# Altium PCB fastcar.PcbDoc (part 3 of 6) (continued)
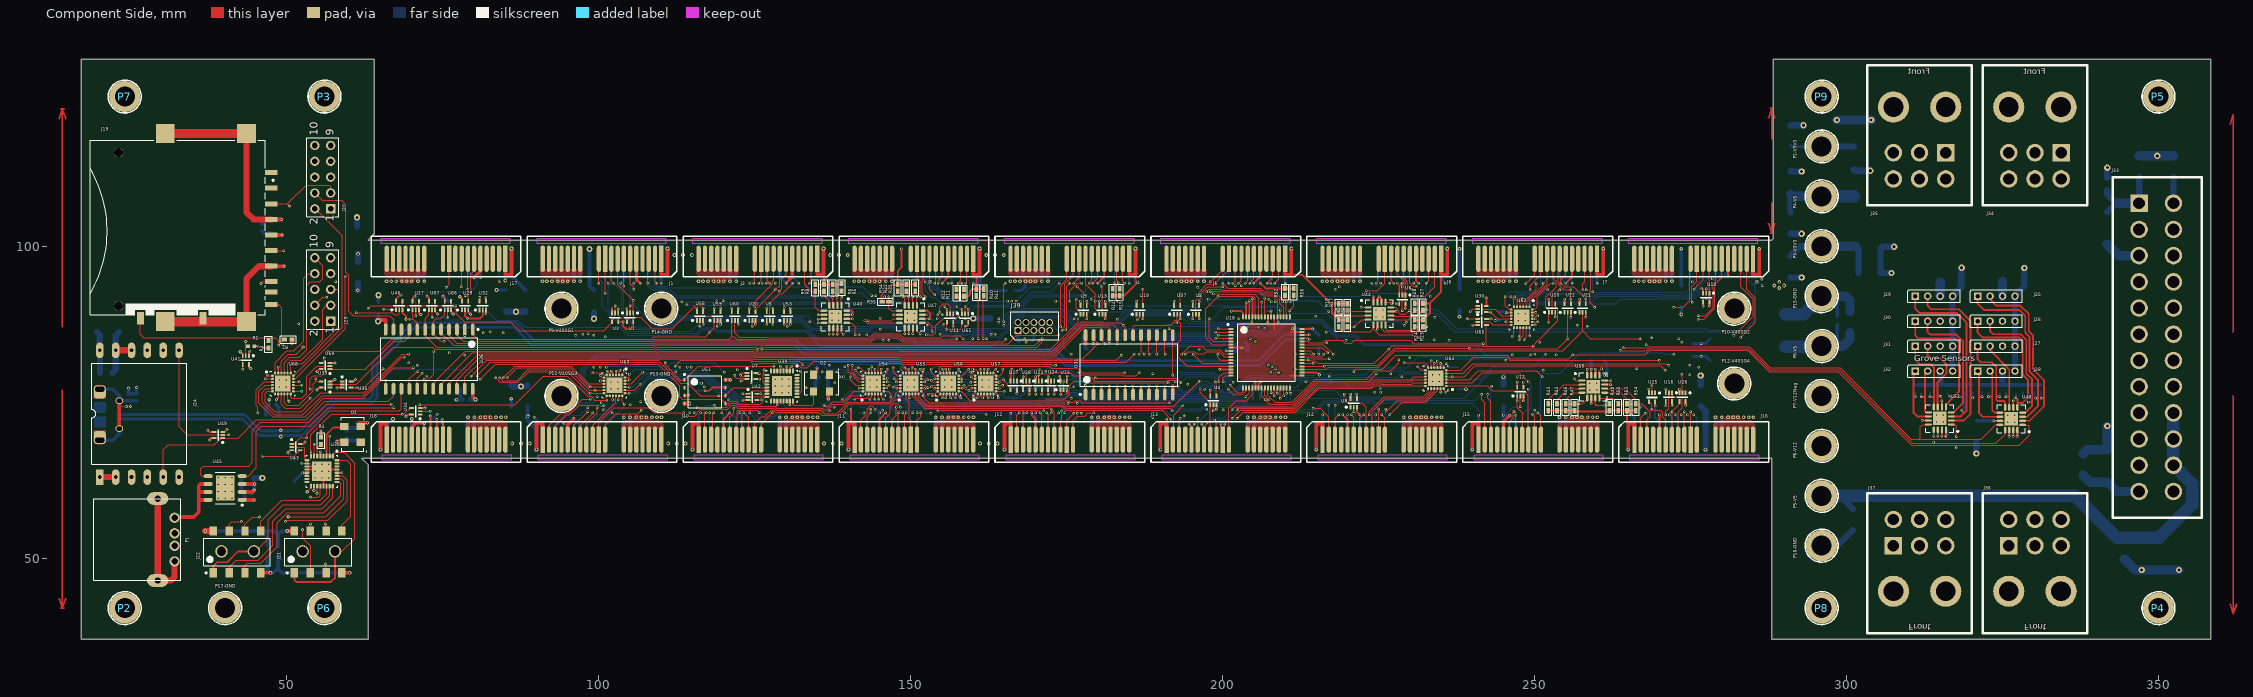
[diagram p0: Component Side view]
## Nets (pads, with @x,y where several pads share a name; then routed paths per layer and width w, separated by ;. In a path a pad name is that pad's centre, name@x,y a point inside that pad or via, vN(x,y) a via of type N, cw(c..) or ccw(c..) an arc to the next point about the centre after c; other vN are vias at no path point) (continued)
  Signal 1 w0.15: v1(276.3,80.6) 277.425,81.725 277.425,91.625 v1(277.499,91.7)
  Signal 2 w0.15: v1(186.9,77.5) 187.7,76.7 196.899,76.7 197.124,76.475 201.526,76.475 202.251,77.2 206.351,77.2 207.251,78.1 212.475,78.1 213,77.575 217.329,77.575 218.554,78.8 220.602,78.8 227.374,78.8 228.399,79.825 229,79.825 229.2,79.625 231.675,79.625 232.245,80.195 235.041,80.195 235.311,79.925 243.607,79.925 244.057,80.375 245.948,80.375 246.219,80.645 256.905,80.645 257.95,79.6 260.475,79.6 260.8,79.925 261.6,79.925 261.925,79.6 269.599,79.6 270.524,80.525 271.075,80.525 271.2,80.4 276.1,80.4 v1(276.3,80.6)
S8GPIO2: J8.B8 U62.4 | length 37.4
  Component Side w0.15: U62.4@247.68,90.305 247.68,91.68 247.7,91.7 v1(248,91.7)
  Solder Side w0.15: v1(248,91.7) 248.925,90.775 262.999,90.775 263.824,91.6 275.6,91.6 276.375,92.375 276.375,93.476 278,95.101 J8.B8@278,98
S8GPIO3: J8.A9 U62.5 | length 37.7
  Component Side w0.15: v1(246.8,91.9) 247.18,91.52 U62.5@247.18,90.305 ; v1(275.6,93.1) 275.6,93.2 277,94.6 J8.A9@277,98
  Solder Side w0.15: v1(246.8,91.9) 247.325,92.425 248.85,92.425 249,92.275 249.6,92.275 249.75,92.425 251.635,92.425 251.786,92.275 252.4,92.275 252.55,92.425 253.55,92.425 253.7,92.275 256.1,92.275 256.25,92.425 257.149,92.425 257.649,91.925 259.701,91.925 260.076,92.3 270,92.3 270.1,92.2 275.197,92.2 275.6,92.603 v1(275.6,93.1)
S8GPIO4: J8.B9 U62.6 | length 39.2
  Component Side w0.15: v1(246.2,91.9) 246.624,91.475 ; 246.625,91.475 246.68,91.42 U62.6@246.68,90.305
  Solder Side w0.15: v1(246.2,91.9) 246.624,91.475 246.976,91.475 247.626,92.125 248.375,92.125 249.425,91.075 257.376,91.075 257.465,91.164 257.935,91.164 258.024,91.075 259.275,91.075 260.2,92 269.876,92 269.976,91.9 275.447,91.9 ; 275.447,91.901 275.447,92.022 276.075,92.65 276.075,94.276 277,95.201 J8.B9@277,98
S8GPIO5: J8.A10 U55.22 | length 153.1
  Component Side w0.15: v1(147.2,77.4) 147.55,77.75 U55.22@148.325,77.75 ; v1(275.3,91) 275.174,91.126 275.174,93.576 275.473,93.875 275.475,93.875 275.724,94.124 275.724,94.126 276,94.401 J8.A10@276,98
  Signal 1 w0.15: v1(146.5,84.9) 146.775,84.625 146.775,80.776 146.775,78.325 147.2,77.9 v1(147.2,77.4) ; v1(273.1,85.2) 275.3,87.4 v1(275.3,91)
  Signal 2 w0.15: v1(146.5,84.9) 147.225,84.175 177.033,84.175 177.798,84.94 183.301,84.94 184.066,84.175 196.176,84.175 196.752,84.175 197.002,83.925 199.449,83.925 199.699,84.175 203.226,84.175 203.976,83.425 224.298,83.425 224.848,83.975 227.628,83.975 227.928,83.675 233.6,83.675 234.01,84.085 239.876,84.085 240.461,83.5 248.549,83.5 249.559,84.51 249.891,84.51 250.225,84.176 250.225,84.156 250.281,84.1 257.576,84.1 258.101,84.625 268.076,84.625 268.201,84.5 271.6,84.5 272.3,85.2 v1(273.1,85.2)
S8GPIO6: J8.B10 U18.27 | length 92.7
  Component Side w0.15: v1(208.25,76.05) U18.27@208.25,77.3
  Signal 1 w0.15: v1(274.9,79.4) 274.475,79.825 274.475,81.525 272.675,83.325 272.675,85.376 274.5,87.201 274.5,92.9 275.299,93.699 v1(275.299,94.3)
  Signal 2 w0.15: v1(208.25,76.05) 208.25,76.551 208.899,77.2 212.102,77.2 212.627,76.675 217.702,76.675 218.927,77.9 232.944,77.9 233.219,77.625 236.54,77.625 238.24,79.325 243.855,79.325 244.275,79.745 251.154,79.745 251.374,79.525 251.376,79.525 251.601,79.3 257.825,79.3 258.425,78.7 261.859,78.7 262.044,78.885 262.396,78.885 262.491,78.791 263,79.3 273.198,79.3 273.423,79.075 273.775,79.075 273.876,79.175 273.988,79.287 274.237,79.287 274.524,79 274.9,79 v1(274.9,79.4)
  Solder Side w0.15: v1(275.299,94.3) 276,95 J8.B10@276,98
S8GPIO7: J8.A11 U18.28 | length 85.8
  Component Side w0.15: v1(208.75,76.45) U18.28@208.75,77.3 ; v1(272.3,90.2) 273.8,90.2 274.874,91.275 274.874,97.874 J8.A11@275,98
  Signal 1 w0.15: v1(272.3,82.7) v1(272.3,90.2)
  Solder Side w0.15: v1(208.75,76.45) 209.2,76.9 218,76.9 219.025,75.875 225.224,75.875 225.499,75.6 238.691,75.6 243.091,80 250.899,80 251.224,79.675 254.075,79.675 257.3,82.9 263.519,82.9 263.544,82.875 263.896,82.875 263.921,82.9 270.6,82.9 270.8,82.7 v1(272.3,82.7)
S8GPIO8: J8.B11 U62.7 | length 38.4
  Component Side w0.15: v1(245.3,91.9) 245.3,90.44 245.86,89.88 U62.7@246.255,89.88
  Solder Side w0.15: v1(245.3,91.9) 246.125,92.725 248.974,92.725 249.124,92.575 249.476,92.575 249.626,92.725 251.76,92.725 251.91,92.575 252.276,92.575 252.426,92.725 253.674,92.725 253.824,92.575 255.976,92.575 256.126,92.725 257.273,92.725 257.773,92.225 259.576,92.225 259.951,92.6 274.273,92.6 274.775,93.102 274.775,94.376 275,94.601 J8.B11@275,98
S8MISO: J8.B6 U14.2 | length 6.6
  Component Side w0.15: U14.2@277.5,92.48 v1(277.5,93.199)
  Solder Side w0.15: v1(277.5,93.199) 280,95.699 J8.B6@280,98
S8RXD: J8.A4
S8SCL: J8.A3 R28.2 U44.10 | length 71.6
  Component Side w0.15: U44.10@226.955,88.895 227.075,88.775 229.882,88.775 230.8,89.692 R28.2@230.8,89.75 231.35,89.75 v1(231.4,89.8) ; v1(281.9,85.7) 281.978,85.7 285.025,88.747 285.025,91.475 283,93.5 J8.A3@283,98
  Solder Side w0.15: v1(231.4,89.8) 231.9,89.3 234.2,89.3 237.175,86.325 277.65,86.325 277.7,86.275 281.325,86.275 v1(281.9,85.7)
S8SDA: J8.B3 R27.2 U44.9 | length 71.9
  Component Side w0.15: U44.9@226.955,88.245 229.777,88.245 230.432,88.9 231.25,88.9 R27.2@232.1,89.75 232.65,89.75 v1(232.7,89.8)
  Solder Side w0.15: v1(232.7,89.8) 234.5,89.8 237.525,86.775 258.576,86.775 258.601,86.8 277.599,86.8 277.824,86.575 283.675,86.575 285.4,88.3 285.4,93.5 283,95.9 J8.B3@283,98
S8SIG: J8.A2 U56.22 | length 157
  Component Side w0.15: v1(153.3,77.478) 153.3,77.6 153.45,77.75 U56.22@154.325,77.75 ; v1(283,85.4) 285.4,87.8 285.4,91.7 284,93.1 J8.A2@284,98
  Signal 1 w0.15: v1@153.301,77.6 154.4,78.699 154.4,79.7 154.4,84.499 154.4,85.6 v1(154.7,85.9)
  Signal 2 w0.15: v1(154.7,85.9) 154.799,85.9 155.025,85.675 156.224,85.675 156.649,86.1 161.349,86.1 161.573,86.325 162.724,86.325 163.076,86.325 163.324,86.325 ; 163.324,86.325 163.676,86.325 165.523,86.325 166.148,85.7 169.098,85.7 170.323,84.475 176.908,84.475 177.673,85.24 183.425,85.24 184.19,84.475 196.052,84.475 196.876,84.475 197.126,84.225 199.325,84.225 199.575,84.475 203.35,84.475 204.1,83.725 224.174,83.725 224.724,84.275 227.752,84.275 228.052,83.975 233.476,83.975 233.976,84.475 241.274,84.475 241.624,84.825 244.102,84.825 244.652,84.275 248.475,84.275 250.3,86.1 268.1,86.1 268.475,85.725 268.976,85.725 269.201,85.5 272.799,85.5 272.924,85.625 273.276,85.625 273.626,85.275 282.875,85.275 v1(283,85.4)
S8TXD: J8.B4
S9ERR: J9.B2 U54.24 | length 59.3
  Component Side w0.15: v1(136.1,74.4) 136.375,74.4 136.575,74.2 137.45,75.075 139.176,75.075 140.851,76.75 U54.24@142.325,76.75
  Signal 2 w0.15: v1(100.7,73.8) 100.8,73.9 100.926,73.9 101.351,74.325 103,74.325 103.425,73.9 104.299,73.9 104.924,73.275 111.129,73.275 113.174,75.32 115.68,75.32 116.075,74.925 119.475,74.925 119.775,74.625 125.46,74.625 126.06,74.625 127.851,74.625 128.3,75.074 130.776,75.074 131.525,74.325 131.715,74.325 136.075,74.325 136.1,74.35 v1(136.1,74.4)
  Solder Side w0.15: J9.B2@92,69 92,70.563 94.712,73.275 95.129,73.275 96.754,74.9 98.9,74.9 99.325,75.325 100.576,75.325 101.225,74.676 101.225,74.224 100.801,73.8 v1(100.7,73.8)
S9GPIO1: J9.A8 U3.1 U31.9 | length 125.7
  Component Side w0.15: J9.A8@98,69 98,71.59 99.7,73.29 v1(99.7,74.1) ; U3.1@103.1,89.3 v1(103.1,90) ; U31.9@188.175,76.25 188.175,77.575 v1(188.2,77.6)
  Signal 1 w0.15: v1(99.7,74.1) 99.7,74.04 99.725,74.065 v1(99.725,75.9) 99.875,76.05 99.875,77.126 99.725,77.276 99.725,79.524 100.775,80.574 100.775,81.25 102.9,83.375 102.9,89.8 v1(103.1,90)
  Solder Side w0.15: v1(99.725,75.9) 99.7,75.925 98.574,75.925 97.2,77.299 97.2,80.4 99.575,82.775 130.799,82.775 131.549,82.025 171.474,82.025 173.274,80.225 175.575,80.225 177.375,78.425 187.375,78.425 v1(188.2,77.6)
S9GPIO2: J9.B8 U63.15 | length 9.2
  Component Side w0.15: v1(102.2,75.4) 102.2,75.975 U63.15@102.25,76.025
  Solder Side w0.15: J9.B8@98,69 98,71.11 99.95,73.06 100.661,73.06 102.2,74.599 v1(102.2,75.4)
S9GPIO3: J9.A9 U63.16 | length 8.6
  Component Side w0.15: J9.A9@99,69 99,71.3 102.675,74.975 102.675,75.95 U63.16@102.75,76.025
S9GPIO4: J9.B9 U63.17 | length 8.9
  Component Side w0.15: v1(103.1,75.4) 103.15,75.45 103.15,75.925 U63.17@103.25,76.025
  Solder Side w0.15: J9.B9@99,69 99,71.15 100.45,72.6 100.625,72.6 103.1,75.075 v1(103.1,75.4)
S9GPIO5: J9.A10 U55.24 | length 55.7
  Component Side w0.15: J9.A10@100,69 100,71.7 101.751,73.451 ; 101.751,73.452 102.424,74.125 108.021,74.125 108.871,73.275 113.024,73.275 113.524,72.775 115.376,72.775 115.775,73.174 115.775,73.376 116.299,73.9 120.65,73.9 121.275,74.525 121.776,74.525 122.276,74.025 128.1,74.025 128.4,73.725 135.65,73.725 136.2,73.175 138.124,73.175 139.975,75.026 146.602,75.026 146.952,75.375 146.976,75.375 147.6,75.999 147.6,76.4 147.95,76.75 U55.24@148.325,76.75
S9GPIO6: J9.B10 U18.39 | length 136.9
  Component Side w0.15: U18.39@212.7,82.25 214.025,82.25 214.3,81.975 217.075,81.975 v1(217.1,82)
  Signal 1 w0.15: v1(188.8,72.5) v1(188.8,79.6) ; v1(217.1,79.2) v1(217.1,82)
  Signal 2 w0.15: v1(102.176,73.276) 102.176,72.776 103.617,71.335 103.665,71.335 103.7,71.3 187.6,71.3 v1(188.8,72.5) ; v1(188.8,79.6) 188.8,79.7 188.901,79.801 193.376,79.801 194.102,79.075 208.482,79.075 215.083,79.075 215.283,78.875 216.775,78.875 v1(217.1,79.2)
  Solder Side w0.15: J9.B10@100,69 100,71.2 102.076,73.276 v1(102.176,73.276)
S9GPIO7: J9.A11 U18.40 | length 129.5
  Component Side w0.15: J9.A11@101,69 101,71.5 102.351,72.851 ; 102.352,72.851 102.626,73.125 106.225,73.125 v1(106.8,73.7) ; v1(112.2,80.8) 113.1,81.7 124.153,81.7 124.578,81.275 131.701,81.275 132.476,80.5 133.4,80.5 134.475,81.575 148.525,81.575 148.65,81.7 182.9,81.7 v1(183.7,82.5) ; U18.40@212.7,82.75 213.949,82.75 214.424,82.275 215.875,82.275 216.2,82.6 v1(216.2,82.7)
  Signal 1 w0.15: v1(106.8,73.7) 107.125,74.025 107.125,76.979 108.871,78.725 110.125,78.725 v1(112.2,80.8)
  Signal 2 w0.15: v1(183.7,82.5) 185.1,82.5 185.675,81.925 213.224,81.925 213.524,82.225 215.725,82.225 v1(216.2,82.7)
S9GPIO8: J9.B11 U63.18 | length 8.5
  Component Side w0.15: U63.18@103.75,76.025 103.75,75.05 v1(104.1,74.7)
  Solder Side w0.15: J9.B11@101,69 101,71.176 104.1,74.276 v1(104.1,74.7)
S9MISO: J9.B6 U3.2 | length 26.9
  Component Side w0.15: U3.2@102.6,89.3 v1(102.6,90.5)
  Signal 1 w0.15: v1(98.21,74.13) 98.075,74.265 98.075,79.376 98.824,80.125 99.326,80.125 99.775,80.574 99.775,80.776 102.6,83.601 v1(102.6,90.5)
  Solder Side w0.15: J9.B6@96,69 96,71.425 95.525,71.9 95.525,72.597 95.803,72.875 96.955,72.875 v1(98.21,74.13)
S9RXD: J9.A4
S9SCL: J9.A3 R32.2 U47.3 | length 76.5
  Component Side w0.15: J9.A3@93,69 93,71.2 94.775,72.975 95.253,72.975 96.833,74.555 100.045,74.555 100.2,74.4 v1(100.8,74.4) ; R32.2@149.3,92.8 149.7,92.4 v1(149.7,91.9) 149.7,90.55 U47.3@149.675,90.525
  Signal 1 w0.15: v1(105.025,74.6) 106.175,75.75 106.175,78.076 107.424,79.325 109.325,79.325 113.3,83.3 v1(113.3,91.1)
  Signal 2 w0.15: v1(100.8,74.4) 100.9,74.5 101.102,74.5 101.227,74.625 103.125,74.625 103.475,74.275 104.7,74.275 v1(105.025,74.6)
  Solder Side w0.15: v1(113.3,91.1) 118.499,91.1 118.724,90.875 120.076,90.875 120.301,91.1 148.9,91.1 v1(149.7,91.9)
S9SDA: J9.B3 R31.2 U47.2 | length 76.4
  Component Side w0.15: U47.2@150.325,90.525 U47.2@150.325,90.605 ; U47.2@150.37,90.56 U47.2@150.325,90.605 ; R31.2@150.7,92.8 150.3,92.4 v1(150.3,91.9) 150.3,90.63 U47.2@150.325,90.605
  Signal 1 w0.15: v1(106.7,75.1) 106.7,77.226 108.499,79.025 109.601,79.025 114.1,83.524 v1(114.1,90.6)
  Signal 2 w0.15: v1(100.4,74.9) 100.475,74.825 101.003,74.825 101.103,74.925 103.3,74.925 103.912,75.537 106.263,75.537 v1(106.7,75.1)
  Solder Side w0.15: J9.B3@93,69 93,71.027 94.948,72.975 95.253,72.975 96.878,74.6 100.1,74.6 v1(100.4,74.9) ; v1(114.1,90.6) 114.5,90.6 114.525,90.575 120.2,90.575 120.425,90.8 149.25,90.8 150.3,91.85 v1(150.3,91.9)
S9SIG: J9.A2 U56.24 | length 74.1
  Component Side w0.15: J9.A2@92,69 92,71.2 94.075,73.275 95.129,73.275 97.354,75.5 v1(98.6,75.5) ; v1(152.8,76.3) 152.925,76.425 153.576,76.425 153.676,76.325 153.9,76.325 U56.24@154.325,76.75
  Signal 1 w0.15: v1(98.6,75.5) 99.075,75.975 99.075,76.626 98.975,76.726 98.975,77.076 99.425,77.526 99.425,79.8 100.075,80.45 100.075,80.475 v1(100.2,80.6)
  Signal 2 w0.15: v1(100.2,80.6) 100.2,80.7 100.525,81.025 101.376,81.025 101.526,80.875 110.825,80.875 111.775,81.825 114.375,81.825 118.525,77.675 125.225,77.675 125.625,78.075 131.322,78.075 132.597,76.8 137.004,76.8 137.279,76.525 146.126,76.525 146.5,76.525 147.1,76.525 151.7,76.525 151.925,76.3 v1(152.8,76.3)
S9TXD: J9.B4
S10ERR: J10.B2 U54.1 | length 33.1
  Component Side w0.15: v1(118.5,74.5) 118.8,74.2 120.525,74.2 121.15,74.825 121.9,74.825 122.4,74.325 128.225,74.325 128.525,74.025 135.774,74.025 136.024,73.775 136.574,73.775 137.499,74.7 139.225,74.7 140.525,76 142.425,76 U54.1@142.75,76.325
  Solder Side w0.15: J10.B2@117,69 117,72.675 116.775,72.9 116.775,73.9 117.375,74.5 v1(118.5,74.5)
S10GPIO1: J10.A8 U7.1 U31.10 | length 84.1
  Component Side w0.15: 122.55,79.45 122.81,79.71 U7.1@123.74,79.71 ; v1(122.6,73.3) 123,72.899 J10.A8@123,69 ; U31.10@189.445,76.25 v1(189.445,77.545)
  Signal 1 w0.15: v1(122.6,73.3) 122.325,73.575 122.325,78.925 v1(122.7,79.3)
  Signal 2 w0.15: v1(122.7,79.3) 122.825,79.175 126.5,79.175 126.825,79.5 130.322,79.5 132.147,77.675 132.974,77.675 133.024,77.725 134.35,77.725 134.4,77.675 141.903,77.675 143.503,79.275 158.326,79.275 158.625,78.976 158.625,78.475 159.325,77.775 159.776,77.775 160.025,78.024 ; 160.025,78.025 161.1,79.1 165.1,79.1 165.825,78.375 174.022,78.375 174.324,78.677 174.676,78.677 174.953,78.4 188.59,78.4 v1(189.445,77.545)
S10GPIO2: J10.B8 U63.19 | length 26.9
  Component Side w0.15: U63.19@104.175,76.45 v1(104.85,76.45)
  Solder Side w0.15: v1(104.85,76.45) 105.751,76.45 107.025,77.724 107.025,77.825 108.05,78.85 108.07,78.85 111.476,78.85 111.751,78.575 113.882,78.575 114.107,78.8 116.7,78.8 118.875,76.625 120.076,76.625 121.625,75.076 121.625,74.676 122.175,74.126 122.175,73.124 123,72.299 J10.B8@123,69
S10GPIO3: J10.A9 U63.20 | length 27.8
  Component Side w0.15: U63.20@104.175,76.95 104.643,76.95 ; 104.643,76.95 105.057,76.95 ; 105.057,76.95 105.65,76.95 v1(106.6,77.9) ; v1@123.09,73.31 123.1,73.3 v1(123.2,73.3) 123.22,73.3 124,72.52 124,72.4 J10.A9@124,69
  Solder Side w0.15: v1(106.6,77.9) 106.676,77.9 107.926,79.15 108.3,79.15 111.6,79.15 111.875,78.875 113.757,78.875 113.983,79.1 116.824,79.1 118.999,76.925 120.2,76.925 121.925,75.2 121.925,74.8 123.135,73.59 v1@123.135,73.355 ; v1(123.2,73.3) 123.19,73.3 v1@123.135,73.355 ; v1@123.21,73.43 v1@123.135,73.355
S10GPIO4: J10.B9 U63.21 | length 27.9
  Component Side w0.15: U63.21@104.175,77.45 104.225,77.4 v1(104.9,77.4)
  Solder Side w0.15: v1(104.9,77.4) 105.4,77.4 107.45,79.45 111.724,79.45 111.999,79.175 113.633,79.175 113.858,79.4 116.949,79.4 119.124,77.225 120.325,77.225 122.225,75.325 122.225,75.001 123.726,73.5 123.712,73.487 123.712,72.986 124,72.699 J10.B9@124,69
S10GPIO5: J10.A10 U55.1 | length 29
  Component Side w0.15: J10.A10@125,69 125,71.601 126.062,72.663 126.564,72.663 127.025,73.124 127.025,73.126 127.624,73.725 127.976,73.725 128.276,73.425 135.201,73.425 135.751,72.875 138.275,72.875 138.975,73.575 ; 138.975,73.576 140.125,74.726 146.727,74.726 147.076,75.075 147.1,75.075 147.413,75.388 147.813,75.388 U55.1@148.75,76.325
S10GPIO6: J10.B10 U18.31 | length 103.6
  Component Side w0.15: v1(210.25,76.449) U18.31@210.25,77.3
  Signal 1 w0.15: v1(124.2,73.3) 124.2,77.9 v1(124.4,78.1)
  Solder Side w0.15: v1@124.2,73.176 v1@124.324,73.176 ; v1(124.2,73.3) v1@124.324,73.176 ; v1(124.4,78.1) 125.4,78.1 128.475,75.025 129.175,75.025 130.1,74.1 135.694,74.1 135.746,74.152 135.675,74.224 135.675,74.576 135.924,74.825 136.419,74.825 136.568,74.974 139.149,74.974 140.701,76.525 146.5,76.525 147.1,76.525 148.424,76.525 149.647,76.525 152.125,76.525 152.375,76.775 ; J10.B10@125,69 125,72.5 v1@124.324,73.176 ; 152.376,76.775 152.401,76.8 154.151,76.8 154.526,76.425 164.674,76.425 165.199,75.9 167.3,75.9 168.725,77.325 174.475,77.325 174.701,77.551 175.4,77.551 176.026,76.925 176.873,76.925 177.998,75.8 189.727,75.8 190.177,76.25 192.876,76.25 193.151,75.975 199.648,75.975 199.897,75.725 203.274,75.725 204.224,74.775 209.976,74.775 210.25,75.049 v1(210.25,76.449)
S10GPIO7: J10.A11 U18.32 | length 95.1
  Component Side w0.15: J10.A11@126,69 126,71.5 v1(127.8,73.3) ; U18.32@210.75,77.3 210.75,76.35 210.8,76.3 v1(210.9,76.4)
  Solder Side w0.15: v1(127.8,73.3) 128.3,73.8 135.818,73.8 135.909,73.89 136.265,73.89 136.625,74.25 136.625,74.376 136.525,74.476 136.525,74.506 136.692,74.674 139.274,74.674 140.825,76.225 146.624,76.225 146.976,76.225 148.548,76.225 149.523,76.225 152.175,76.225 152.925,75.475 153.875,75.475 154.525,76.125 164.55,76.125 165.075,75.6 167.424,75.6 168.849,77.025 174.375,77.025 174.775,76.625 175.902,76.625 176.749,76.625 177.874,75.5 189.851,75.5 190.301,75.95 192.752,75.95 193.027,75.675 199.523,75.675 199.773,75.425 203.15,75.425 204.1,74.475 210.1,74.475 210.9,75.275 v1(210.9,76.4)
S10GPIO8: J10.B11 U63.22 | length 29.3
  Component Side w0.15: U63.22@104.175,77.95 105.15,77.95 v1(107,79.8)
  Solder Side w0.15: v1(107,79.8) 107.05,79.75 111.849,79.75 111.875,79.724 112.124,79.475 113.509,79.475 113.734,79.7 117.073,79.7 119.248,77.525 120.476,77.525 122.525,75.476 122.525,75.125 122.9,74.75 123.351,74.75 126,72.101 J10.B11@126,69
S10MISO: J10.B6 U7.2 | length 13.4
  Component Side w0.15: v1(121.8,79.3) 121.8,79.1 122.025,78.875 122.876,78.875 123.201,79.2 123.73,79.2 U7.2@123.74,79.21
  Signal 1 w0.15: v1(120.7,75.4) 121.8,76.5 v1(121.8,79.3)
  Solder Side w0.15: v1(120.7,75.4) 120.475,75.175 120.475,73.124 121,72.599 J10.B6@121,69
S10RXD: J10.A4
S10SCL: J10.A3 R35.2 U47.5 | length 54.6
  Component Side w0.15: J10.A3@118,69 118.26,69.26 118.26,73.32 118.28,73.3 v1@118.34,73.3 ; v1@118.32,73.32 v1@118.34,73.3 ; v1(118.4,73.3) v1@118.34,73.3 ; v1(146.5,91.9) R35.2@146.5,91.1 146.5,90.1 146.925,89.675 U47.5@148.175,89.675
  Signal 1 w0.15: v1(118.4,73.3) 118.06,73.64 118.06,83.6 119.925,85.465 119.925,91.275 v1(119.9,91.3)
  Signal 2 w0.15: v1(119.9,91.3) 129.498,91.3 129.973,91.775 135.875,91.775 136.7,92.6 145.8,92.6 v1(146.5,91.9)
S10SDA: J10.B3 R34.2 U47.4 | length 56.8
  Component Side w0.15: R34.2@147.9,92.8 v1(148.8,91.9) 149.025,91.675 U47.4@149.025,90.525
  Signal 1 w0.15: v1(117.76,73.3) 117.76,85.639 117.375,86.024 117.375,89.775 v1(118.9,91.3)
  Signal 2 w0.15: v1(118.9,91.3) 119.5,91.9 128.849,91.9 129.023,92.075 135.751,92.075 136.576,92.9 147.801,92.9 v1@148.8,91.901
  Solder Side w0.15: v1@117.76,73.18 117.76,69.24 J10.B3@118,69
S10SIG: J10.A2 U56.1 | length 48.5
  Component Side w0.15: J10.A2@117,69 117.025,69.025 117,69.05 117.3,69.35 117,69.65 117,73.5 v1(117.2,73.3) ; v1(153.4,76) 154.225,76 154.325,75.9 U56.1@154.75,76.325
  Signal 1 w0.15: v1(116.9,77.5) 116.605,77.205 116.605,76.664 117.2,76.069 v1(117.2,73.3)
  Signal 2 w0.15: v1(116.9,77.5) 117.775,77.5 118.2,77.075 131.898,77.075 132.473,76.5 136.88,76.5 137.155,76.225 138.675,76.225 140.676,76.225 146.002,76.225 146.624,76.225 146.976,76.225 151.05,76.225 151.4,75.875 153.375,75.875 153.4,75.9 v1(153.4,76)
S10TXD: J10.B4
S11ERR: J11.B2 U54.2 | length 10.9
  Component Side w0.15: v1(141,75.5) 141.176,75.676 142.975,75.676 143.224,75.925 ; 143.225,75.925 143.25,75.95 U54.2@143.25,76.325
  Solder Side w0.15: v1(141,75.5) 140.582,75.5 139.905,74.823 139.905,72.937 142,70.842 J11.B2@142,69
S11GPIO1: J11.A8 U11.1 U31.11 | length 69.1
  Component Side w0.15: J11.A8@148,69 148,73.2 v1(148.1,73.3) ; v1(152.5,85.8) 153.701,85.8 154.025,86.124 154.025,87.225 155.3,88.5 156.5,88.5 156.8,88.8 U11.1@156.8,89.2 ; v1(190.7,77.6) 190.715,77.585 U31.11@190.715,76.25
  Signal 1 w0.15: v1@148.1,73.301 148.524,73.725 149.725,73.725 150.6,74.6 150.6,75.9 151.676,76.976 151.676,79.875 v1(152.1,80.3) 152.5,80.7 v1(152.5,85.8)
  Signal 2 w0.15: v1(152.1,80.3) 152.525,79.875 158.575,79.875 159.275,79.175 159.275,78.924 159.524,78.675 160.251,78.675 160.976,79.4 165.5,79.4 165.925,79.825 168.674,79.825 169.824,78.675 172.774,78.675 173.724,79.625 175.276,79.625 175.701,79.2 178.299,79.2 178.499,79.4 179.701,79.4 180.401,78.7 189.6,78.7 v1(190.7,77.6)
S11GPIO2: J11.B8 U63.24 | length 54
  Component Side w0.15: U63.24@104.175,78.95 104.6,78.95 104.9,79.25 v1(104.9,79.5) ; v1(143.6,73.9) v1@143.6,74
  Signal 2 w0.15: v1(137.7,74.2) 138.175,73.725 139.576,73.725 140.026,73.275 141.474,73.275 142.324,74.125 142.676,74.125 142.901,73.9 v1(143.6,73.9)
  Solder Side w0.15: v1(104.9,79.5) 105.725,80.325 112.476,80.325 112.651,80.15 117.047,80.15 119.372,77.825 120.6,77.825 122.65,75.775 123.925,75.775 126.925,72.775 128.008,72.775 128.733,73.5 136.299,73.5 137.023,74.224 137.676,74.224 v1(137.7,74.2) ; v1(143.6,73.9) 143.601,73.9 144.026,73.475 144.575,73.475 ; 144.575,73.476 144.824,73.725 145.225,74.125 146.675,74.125 147.401,73.399 147.401,73.3 148,72.701 J11.B8@148,69
S11GPIO3: J11.A9 U63.1 | length 59.5
  Component Side w0.15: U63.1@103.75,79.375 103.75,79.65 104.1,80 v1(104.1,80.1) ; J11.A9@149,69 149,72.999 v1(149.3,73.3)
  Signal 1 w0.15: v1(114.2,80.6) 114.5,80.299 114.5,76.827 115.3,76.027 v1(115.3,73.3)
  Signal 2 w0.15: v1(104.1,80.1) 104.275,80.275 111.074,80.275 112.024,81.225 113.575,81.225 v1(114.2,80.6) ; v1(115.3,73.3) 115.275,73.325 115.275,73.35 115.4,73.225 115.387,73.213 115.375,73.2 116.074,72.5 127.601,72.5 128.226,73.125 135.926,73.125 136.851,72.2 148.201,72.2 v1(149.3,73.3)
S11GPIO4: J11.B9 U63.2 | length 58.6
  Component Side w0.15: U63.2@103.25,79.375 103.25,79.95 v1(103.4,80.1)
  Signal 1 w0.15: v1(114.8,80.6) 114.8,76.951 115.8,75.952 v1(115.8,74.1)
  Signal 2 w0.15: v1(103.4,80.1) 103.875,80.575 110.95,80.575 111.9,81.525 113.975,81.525 114.8,80.7 v1(114.8,80.6) ; v1(115.8,74.1) 116.175,73.725 121.176,73.725 121.301,73.6 121.776,73.6 121.901,73.725 122.849,73.725 128.348,73.725 128.648,73.425 136.051,73.425 136.976,72.5 147.9,72.5 148.275,72.875 ; 148.276,72.875 148.525,73.124 ; 148.525,73.125 v1(148.7,73.3)
  Solder Side w0.15: v1(148.7,73.3) 149,72.999 J11.B9@149,69
S11GPIO5: J11.A10 U55.2 | length 7.6
  Component Side w0.15: U55.2@149.25,76.325 149.25,75.45 149.725,74.975 149.725,72.275 150,72 J11.A10@150,69
S11GPIO6: J11.B10 U18.15 | length 62.4
  Component Side w0.15: v1(199.4,78.3) 199.4,79 200.15,79.75 U18.15@201.3,79.75
  Signal 1 w0.15: v1(197.4,73.9) 199.4,75.9 v1(199.4,78.3)
  Signal 2 w0.15: v1(150.3,73.3) 150.399,73.3 150.824,73.725 153.282,73.725 153.832,73.175 160.6,73.175 161.3,72.475 172.283,72.475 172.925,73.117 172.925,73.925 173.325,74.325 174.501,74.325 174.751,74.075 179.724,74.075 180.324,73.475 191.3,73.475 191.6,73.175 192.2,73.175 192.6,73.575 194.026,73.575 194.351,73.9 v1(197.4,73.9)
  Solder Side w0.15: J11.B10@150,69 150,73 v1(150.3,73.3)
S11GPIO7: J11.A11 U18.16 | length 62.8
  Component Side w0.15: J11.A11@151,69 151,72.1 151.6,72.7 v1(151.6,73.3) ; v1(200.1,78.3) 200.1,78.9 200.45,79.25 U18.16@201.3,79.25
  Signal 1 w0.15: v1@200.1,73.8 v1(200.1,78.3)
  Signal 2 w0.15: v1(151.6,73.3) 151.6,73.2 152.825,71.975 172.207,71.975 173.225,72.992 173.225,73.8 173.449,74.025 174.377,74.025 174.627,73.775 179.6,73.775 180.2,73.175 191.176,73.175 191.475,72.875 192.325,72.875 192.725,73.275 194.151,73.275 194.351,73.475 197.675,73.475 198.6,74.4 199.5,74.4 v1(200.1,73.8)
S11GPIO8: J11.B11 U63.3 | length 61.7
  Component Side w0.15: U63.3@102.75,79.375 v1(102.75,80)
  Signal 1 w0.15: v1@113.025,80.575 113.025,74.975 114.6,73.4 v1(114.6,73.3)
  Signal 2 w0.15: v1(102.75,80) 103.125,79.625 104.424,79.625 104.724,79.925 106.274,79.925 106.824,79.375 107.5,79.375 108.1,79.975 111.475,79.975 111.825,80.325 112.725,80.325 v1(113,80.6) ; v1(114.6,73.3) 116,71.9 149.7,71.9 151,73.2 v1(151,73.3)
  Solder Side w0.15: J11.B11@151,69 v1(151,73.3)
S11MISO: J11.B6 U11.2 | length 34.8
  Component Side w0.15: v1(154.661,89.439) 154.661,90.261 155.164,90.764 155.836,90.764 156.3,90.3 U11.2@156.3,89.2
  Signal 1 w0.15: v1(145.1,88.5) 145.1,87.4 144.675,86.975 144.675,86.876 144.675,86.524 144.675,80.125 145.2,79.6 145.2,76.501 146.025,75.676 146.025,74.225 v1(145.5,73.7)
  Signal 2 w0.15: v1(145.1,88.5) 146.476,88.5 146.776,88.2 148.624,88.2 149.124,88.7 150.9,88.7 151.65,89.45 154.65,89.45 v1(154.661,89.439)
  Solder Side w0.15: v1(145.5,73.7) 145.5,72.7 146,72.2 J11.B6@146,69
S11RXD: J11.A4
S11SCL: J11.A3 R38.2 U47.8 | length 27.3
  Component Side w0.15: J11.A3@143,69 143,72.7 v1(143.6,73.3) ; v1(143.1,87.8) 143.15,87.8 143.225,87.725 U47.8@148.175,87.725
  Signal 1 w0.15: v1(143.1,87.8) 143.1,87.7 142.475,87.075 142.475,77.754 142.925,77.304 142.925,73.774 v1@143.499,73.199
  Solder Side w0.15: R38.2@141.68,74.43 141.88,74.23 142.69,74.23 142.69,74.209 v1(143.6,73.3) v1(143.6,73.3)
S11SDA: J11.B3 R37.2 U47.7 | length 26.6
  Component Side w0.15: v1(142.6,88.1) 142.625,88.075 142.774,88.075 142.924,88.225 143.276,88.225 143.426,88.075 146.875,88.075 147.175,88.375 U47.7@148.175,88.375 ; U47.7@148.175,88.4 148.21,88.4 U47.7@148.22,88.41
  Signal 1 w0.15: v1(142.5,73.3) 142.5,73.58 142.38,73.7 142.6,73.92 142.6,77.204 142.125,77.679 142.125,87.149 142.6,87.624 v1(142.6,88.1)
  Solder Side w0.15: R37.2@141.68,73.33 142.469,73.33 v1(142.5,73.3) 142.5,72.599 143,72.099 J11.B3@143,69
S11SIG: J11.A2 U56.2 | length 20.6
  Component Side w0.15: J11.A2@142,69 142,72.124 143,73.124 143,73.901 143.499,74.4 143.8,74.4 v1(144.3,73.9) ; v1(155,75.7) 155.175,75.875 155.175,76.25 U56.2@155.25,76.325
  Signal 1 w0.15: v1(153.2,73.2) 153.2,73.9 v1(155,75.7)
  Solder Side w0.15: v1(144.3,73.9) 144.825,74.425 146.799,74.425 147.499,73.725 151.854,73.725 152.379,73.2 v1(153.2,73.2)
S11TXD: J11.B4
S12ERR: J12.B2 U54.3 | length 30
  Component Side w0.15: v1(143.4,75.5) 143.75,75.85 U54.3@143.75,76.325
  Solder Side w0.15: v1(143.4,75.5) 144.174,74.725 147.175,74.725 147.75,75.3 148.75,75.3 149.325,74.725 152.126,74.725 152.351,74.5 154.549,74.5 155.374,73.674 166.227,73.674 167,72.901 J12.B2@167,69
S12GPIO1: J12.A8 U15.1 U31.13 | length 37.5
  Component Side w0.15: v1(172.5,73.9) 173,73.4 J12.A8@173,69 ; v1(174,76.3) U15.1@174,77 U15.1@174.05,77.05 ; v1(191.985,79.315) U31.13@191.985,85.75
  Signal 1 w0.15: v1(172.5,73.9) 172.5,74.8 v1(174,76.3) 174.575,76.875 174.575,77.302 176.9,79.627 v1(176.9,79.7)
  Signal 2 w0.15: v1(176.9,79.7) 179.825,79.7 180.35,79.175 188.976,79.175 189.076,79.275 193.099,79.275 193.059,79.315 v1(191.985,79.315)